# Altium PCB PCB1.PcbDoc (part 1 of 3) (continued)
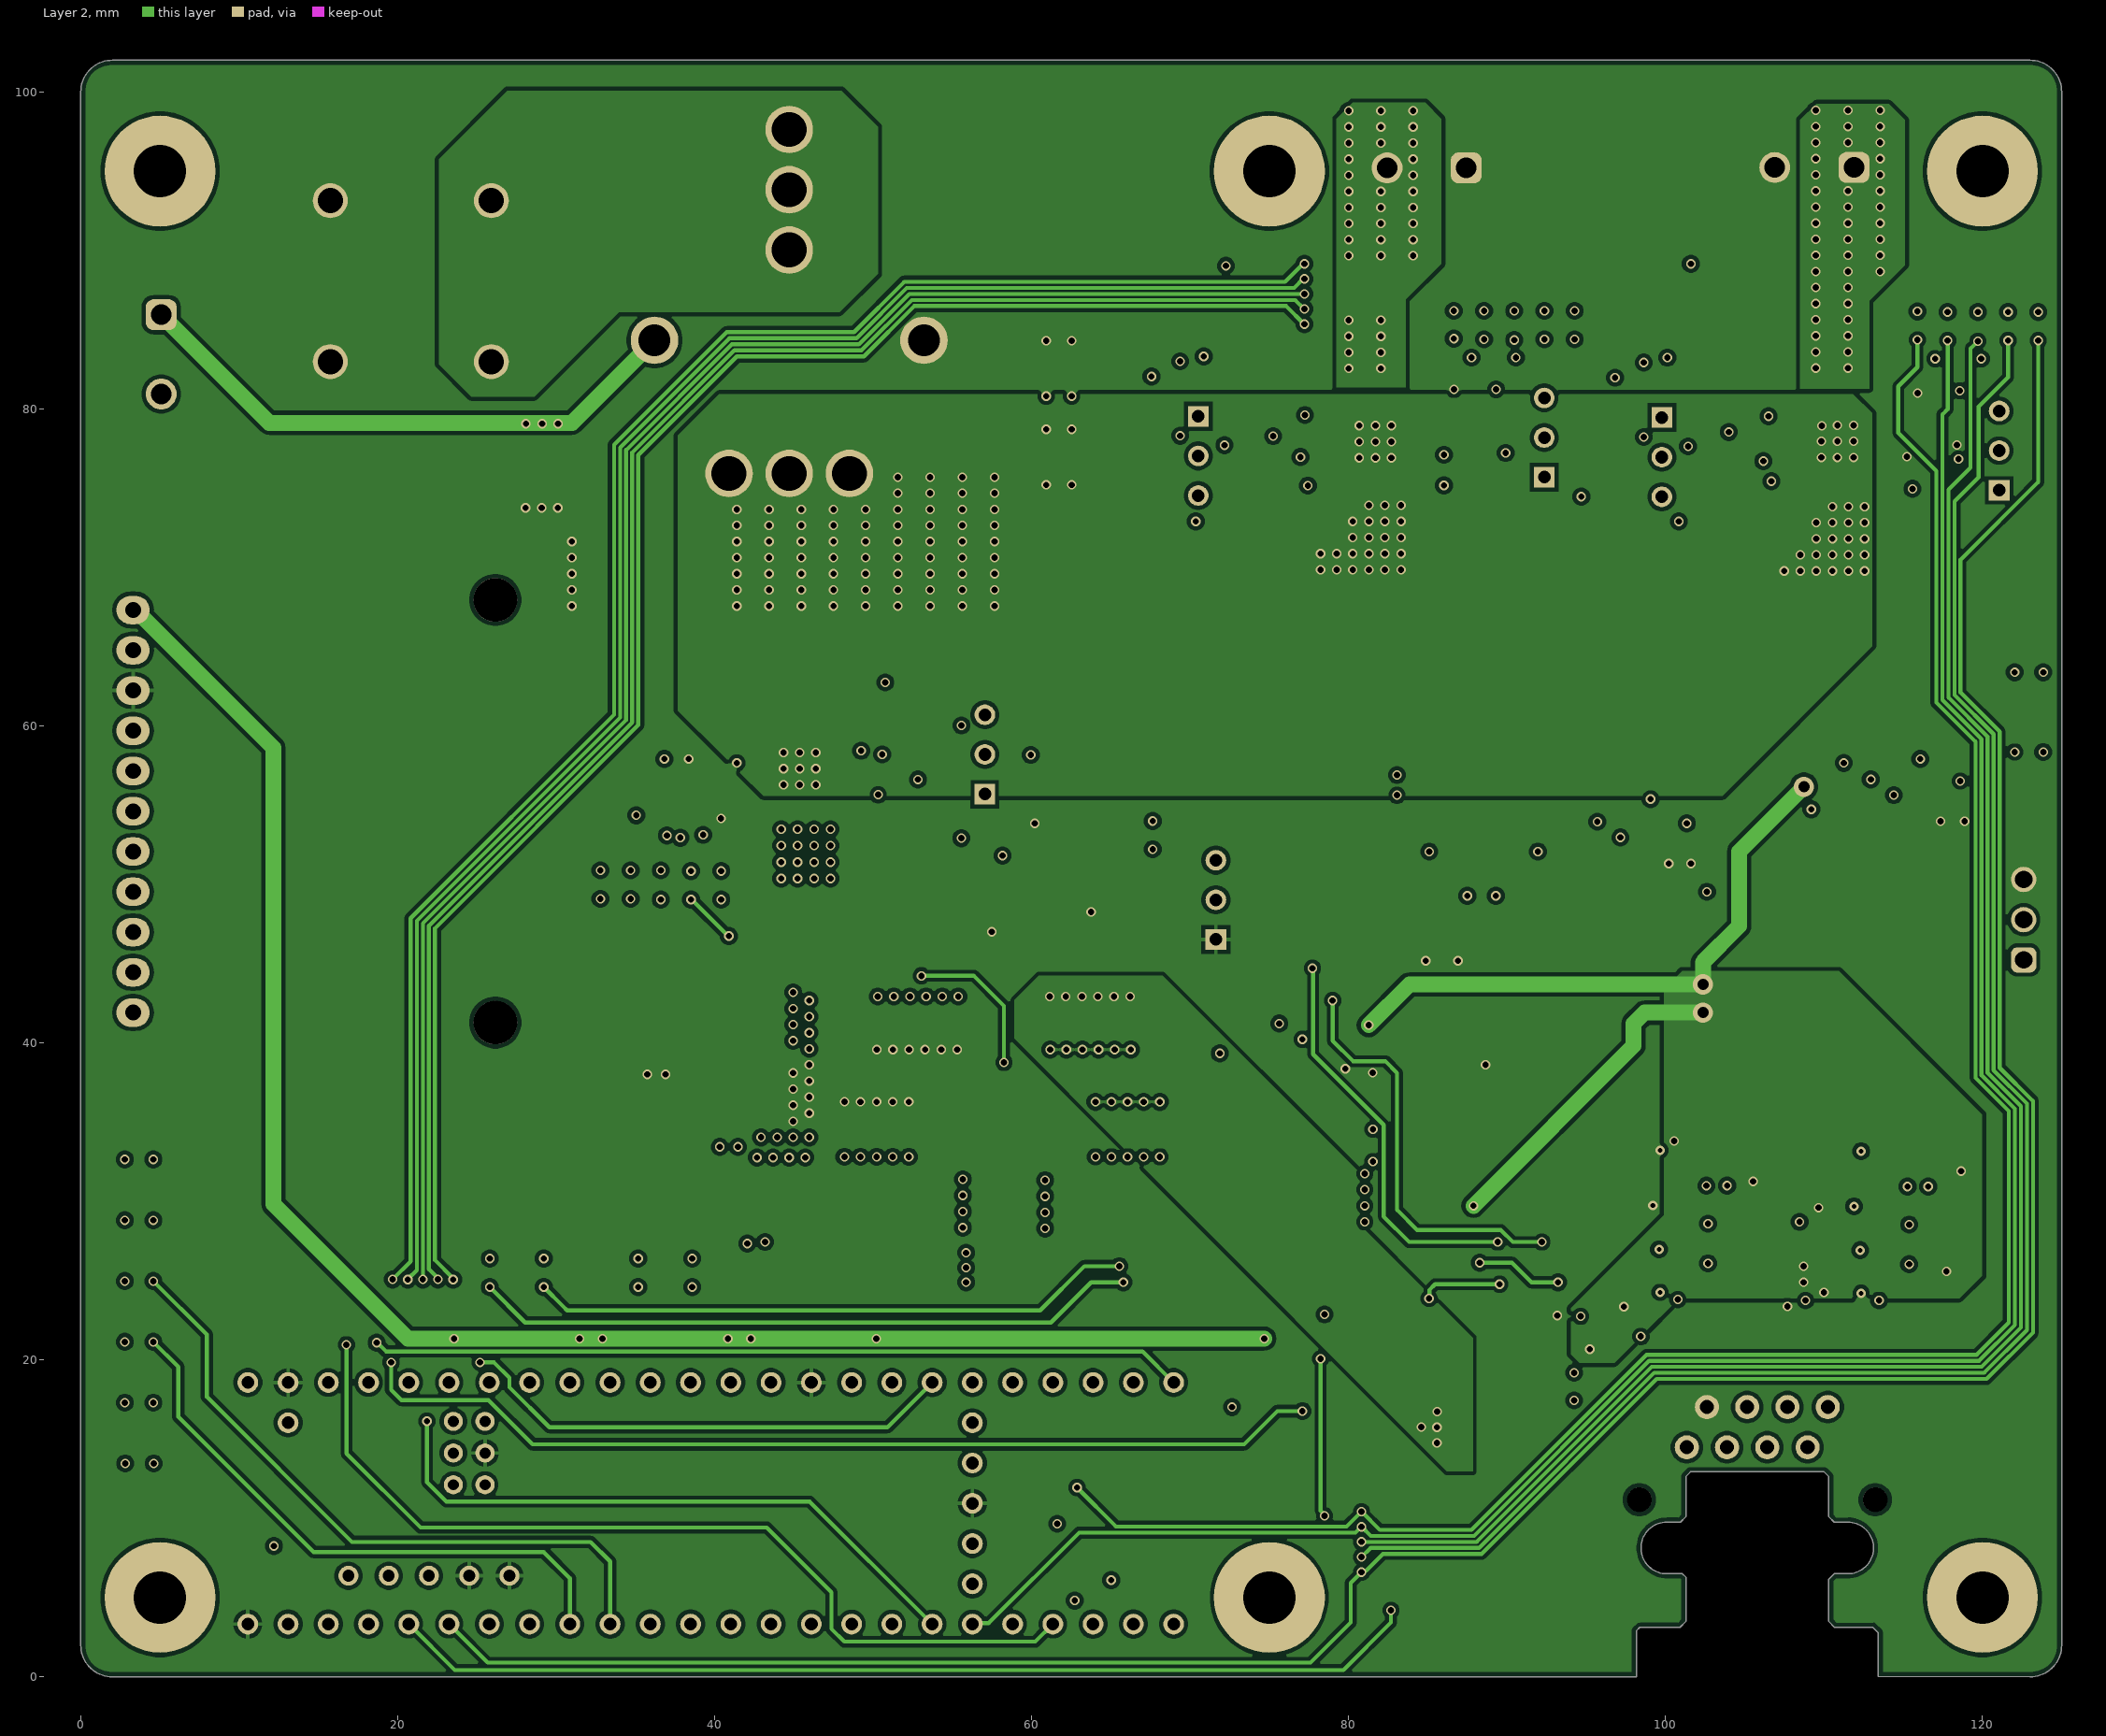
[diagram p3: Layer 2]
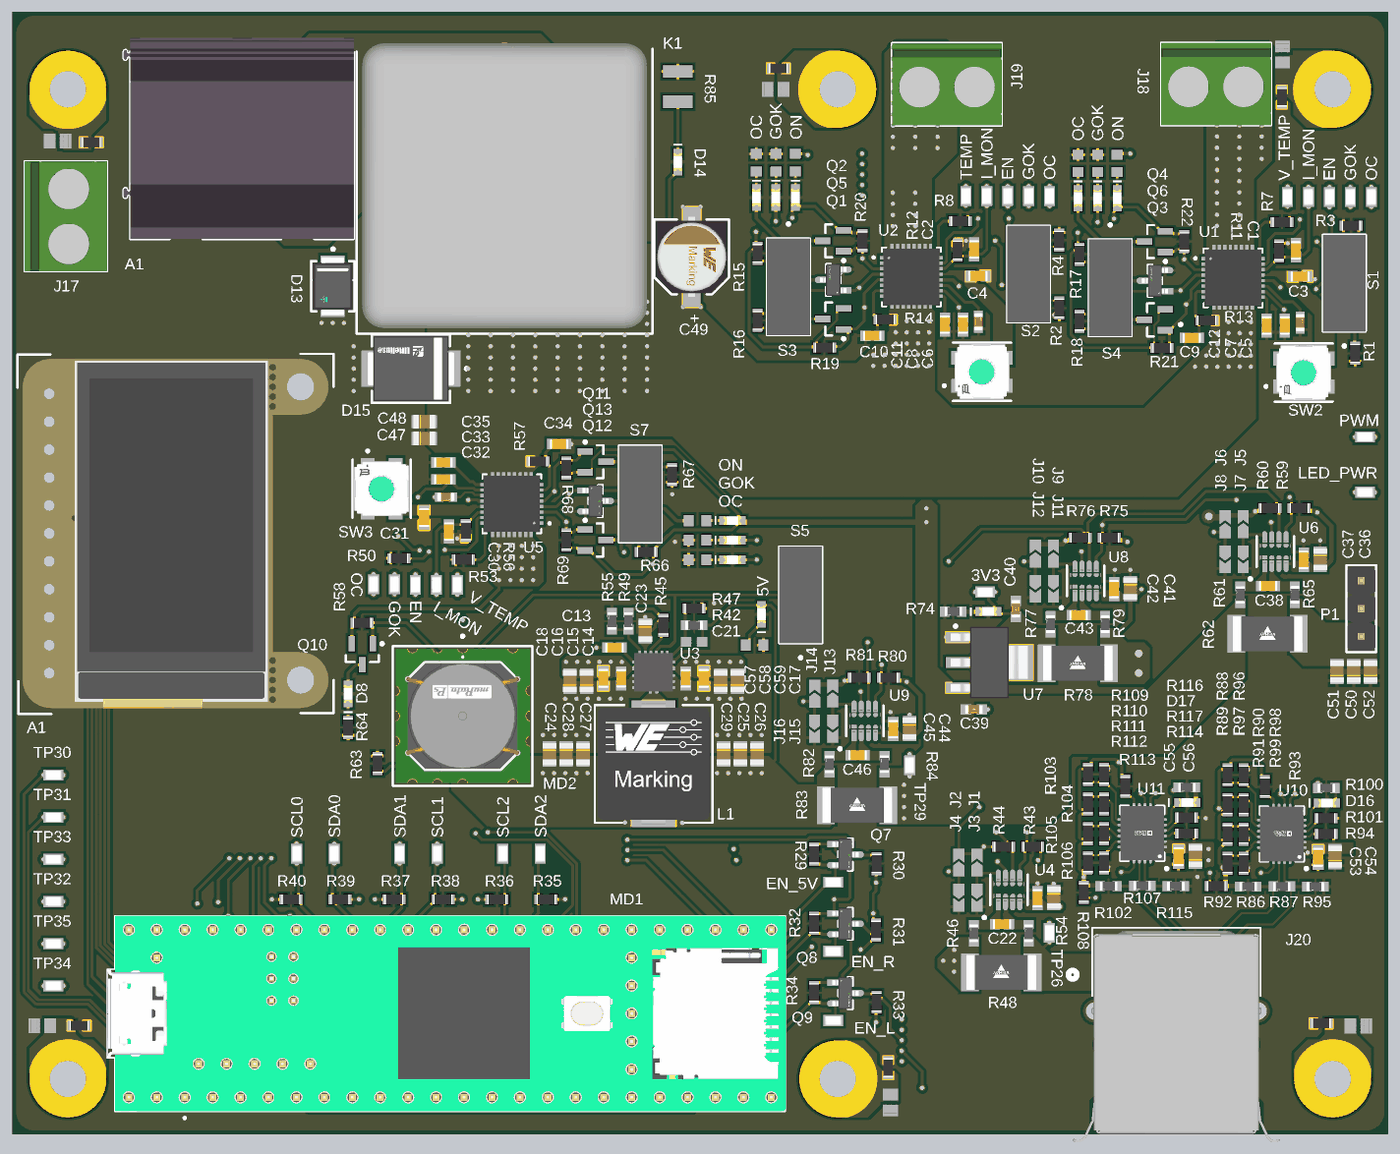
[diagram p6: 3D render of the assembled board from above, using the file's embedded part models]

## Layer stack, top to bottom
Top Solder: solder mask 0.0305, Solder Resist, Dk 3.8
Top Layer: signal copper 0.07
Dielectric 2: prepreg 0.203, PP-006, Dk 4.4
Layer 1: signal copper 0.03
Dielectric 1: dielectric 1.03, FR-4, Dk 4.6
Layer 2: signal copper 0.03
Dielectric 3: prepreg 0.203, PP-006, Dk 4.4
Bottom Layer: signal copper 0.07
Bottom Solder: solder mask 0.0305, Solder Resist, Dk 3.8

## Board outline
2,0 cw(c2,2) 0,2 0,100 cw(c2,100) 2,102 123,102 cw(c123,100) 125,100 125,2 cw(c123,2) 123,0 113.424,0.025 113.424,2.781 113.081,3.124 110.668,3.124 110.299,3.492 110.299,6.159 110.642,6.502 111.506,6.502 ccw(c111.506,8.128) 111.506,9.754 110.642,9.754 110.299,10.096 110.299,12.636 110.007,12.929 101.575,12.929 101.282,12.636 101.282,10.096 100.94,9.754 100.076,9.754 ccw(c100.076,8.128) 100.076,6.502 101.067,6.502 101.282,6.286 101.282,3.492 100.914,3.124 98.374,3.124 98.158,2.908 98.158,0.025 98.158,0

## Design rules (kind name [scope] priority, off if disabled: settings)
AcuteAngle [All] p1: minimum=6.00000000000000E+0001 checktracksonly=FALSE
AssemblyTestPointUsage [All] p1 off: valid=2
AssemblyTestpoint [All] p1 off: testpointundercomponent=TRUE minsize=1.016 maxsize=2.54 preferedsize=1.524 minholesize=0 maxholesize=1.016 preferedholesize=0.813 testpointgrid=0.025 usegrid=TRUE gridtolerance=0 allowsidetop=TRUE allowsidebottom=TRUE
BoardOutlineClearance [All] p1: gap=0.3 ignorepadtopadclearanceinfootprint=FALSE
Clearance [All] p1: gap=0.254 ignorepadtopadclearanceinfootprint=TRUE except(0: Arc-Hole Track-Hole SMDPad-Hole THPad-Hole Via-Hole Fill-Hole Poly-Hole Region-Hole Text-Hole; 0.127: Track-Track SMDPad-SMDPad; 0.15: Arc-Text Track-Text SMDPad-Text THPad-Text Via-Text Fill-Text Poly-Text Region-Text Text-Text; 0.2: Track-SMDPad; 0.33: Track-THPad)
FabricationTestPointUsage [All] p1: valid=2 allowmultiple=FALSE
Height [All] p1: minheight=0 maxheight=35 prefheight=12.7
HoleSize [All] p1: absolutevalues=TRUE maxlimit=6.3 minlimit=0.3 maxpercent=80.000 minpercent=20.000
MinimumSolderMaskSliver [All] p1: minsoldermaskwidth=0.1
NetAntennae [All] p1 off: netantennaetolerance=0
PolygonConnect Vias [IsVia] p1: connectstyle=Direct reliefconductorwidth=0.254 reliefentries=4 polygonreliefangle="90 Angle" airgapwidth=0.254
PolygonConnect Direct_PadClass [InPadClass('Direct')] p2: connectstyle=Direct reliefconductorwidth=0.254 reliefentries=4 polygonreliefangle="90 Angle" airgapwidth=0.254
PolygonConnect [All] p3: connectstyle=Relief reliefconductorwidth=0.254 reliefentries=4 polygonreliefangle="90 Angle" airgapwidth=0.254
RoutingVias [All] p1: holewidth=0.4 width=0.6 viastyle="Through Hole" minholewidth=0.3 minwidth=0.5 maxholewidth=6.3 maxwidth=10
SolderMaskExpansion [All] p1: expansion=0.102 istentingtop=FALSE
Width [All] p1: maxlimit=5 minlimit=0.127 preferedwidth=0.254
23 further rules are at their usual default settings.

## Classes and differential pairs
net class R120_Nets: CHASSIS GND
net class R119_Nets: CHASSIS GND
net class R118_Nets: CHASSIS GND
net class R73_Nets: CHASSIS GND
net class R52_Nets: CHASSIS GND
net class R51_Nets: CHASSIS GND
net class MH6_Nets: CHASSIS
net class MH5_Nets: CHASSIS
net class MH4_Nets: CHASSIS
net class MH3_Nets: CHASSIS
net class MH2_Nets: CHASSIS
net class MH1_Nets: CHASSIS
net class C69_Nets: CHASSIS GND
net class C68_Nets: CHASSIS GND
net class C67_Nets: CHASSIS GND
net class C66_Nets: CHASSIS GND
net class C65_Nets: CHASSIS GND
net class C64_Nets: CHASSIS GND
component class Main: C64 C65 C66 C67 C68 C69 MH1 MH2 MH3 MH4 MH5 MH6 R51 R52 R73 R118 R119 R120
net class TP35_Nets: NetMD1_22
net class TP34_Nets: NetMD1_21
net class TP33_Nets: NetMD1_8
net class TP32_Nets: NetMD1_7
net class TP31_Nets: NetMD1_1
net class TP30_Nets: NetMD1_0
net class C59_Nets: +12V0 GND
net class C58_Nets: +12V0 GND
net class C57_Nets: +12V0 GND
pad class Direct: C1-1 C1-2 C2-1 C2-2 C3-1 C3-2 C4-1 C4-2 C14-1 C14-2 C15-1 C15-2 C16-1 C16-2 C17-1 C17-2 C18-1 C18-2 C19-2 C20-2 C22-1 C22-2 C23-1 C23-2 C24-1 C24-2 C25-1 C25-2 C26-1 C26-2 C27-1 C27-2 C28-1 C28-2 C29-1 C29-2 C30-1 C30-2 C31-1 C31-2 C34-1 C34-2 C36-2 C37-2 C38-1 C38-2 C39-1 C39-2 C40-1 C40-2 C41-2 C42-2 C43-1 C43-2 C44-2 C45-2 C46-1 C46-2 C47-1 C47-2 C48-1 C48-2 C49-1 C49-2 C50-2 C51-2 C52-2 C53-2 C54-2 C55-2 C56-2 C57-1 C57-2 C58-1 C58-2 C59-1 C59-2 C64-1 C64-2 C65-1 C65-2 C66-1 C66-2 C67-1 C67-2 C68-1 C68-2 C69-1 C69-2 D13-1 D13-2 D15-1 D15-2 E1-A1 E1-A2 J18-1 J18-2 J19-1 J19-2 J20-1 J20-2 K1-30 K1-85 K1-86 K1-87 L1-1 L1-2 MD1-VBAT MD1-VIN MD1-VUSB MD2-1 MD2-2 MD2-3 MD2-4 MD2-5 MD2-6 MD2-7 MD2-8 MD2-9 MD2-10 MD2-11 MD2-12 MH1-1 MH2-1 MH3-1 MH4-1 MH5-1 MH6-1 P1-1 P1-2 P1-3 R12-1 R12-2 R13-2 R14-2 R46-1 R46-2 R48-1 R48-2 R51-1 R51-2 R52-1 R52-2 R54-1 R54-2 R56-1 R56-2 R57-2 R61-1 R61-2 R62-1 R62-2 R65-1 R65-2 R73-1 R73-2 R77-1 R77-2 R78-1 R78-2 R79-1 R79-2 R82-1 R82-2 R83-1 R83-2 R84-1 R84-2 R118-1 R118-2 R119-1 R119-2 R120-1 R120-2 SW1-1 SW1-2 SW1-3 SW1-4 SW2-1 SW2-2 SW2-3 SW2-4 SW3-1 SW3-2 SW3-3 SW3-4 TP29-1 U1-1 U1-2 U1-3 U1-4 U1-5 U1-6 U1-7 U1-8 U1-9 U1-10 U1-11 U1-12 U1-13 U1-14 U1-15 U1-16 U1-17 U1-18 U1-19 U1-20 U1-21 U1-22 U1-23 U1-24 U1-25 U1-26 U1-27 U1-28 U1-29 U1-30 U1-31 U1-32 U1-33 U2-1 U2-2 U2-3 U2-4 U2-5 U2-6 U2-7 U2-8 U2-9 U2-10 U2-11 U2-12 U2-13 U2-14 U2-15 U2-16 U2-17 U2-18 U2-19 U2-20 U2-21 U2-22 U2-23 U2-24 U2-25 U2-26 U2-27 U2-28 U2-29 U2-30 U2-31 U2-32 U2-33 U3-1 U3-2 U3-3 U3-4 U3-5 U3-6 U3-7 U3-8 U3-9 U3-10 U3-11 U3-12 U3-13 U3-14 U3-15 U3-16 U3-17 U3-18 U4-1 U4-2 U5-1 U5-2 U5-3 U5-4 U5-5 U5-6 U5-7 U5-8 U5-9 U5-10 U5-11 U5-12 U5-13 U5-14 U5-15 U5-16 U5-17 U5-18 U5-19 U5-20 U5-21 U5-22 U5-23 U5-24 U5-25 U5-26 U5-27 U5-28 U5-29 U5-30 U5-31 U5-32 U5-33 U6-1 U6-2 U7-1 U7-2 U7-3 U7-4 U8-1 U8-2 U9-1 U9-2 U10-1 U10-2 U11-1 U11-2
net class U11_Nets: +3v3 A1_1 A2_1 GND NetD17_1 NetJ20_5 NetJ20_6 NetR108_2 NetR113_2 NetR114_2 NetR117_2 NetU11_6 NetU11_9 NetU11_13 NetU11_20 SCL2 SDA2 SPD1_1 SPD2_1
net class U10_Nets: +3v3 A1_0 A2_0 GND NetD16_1 NetJ20_7 NetJ20_8 NetR92_2 NetR93_2 NetR94_2 NetR101_2 NetU10_6 NetU10_9 NetU10_13 NetU10_20 SCL1 SDA1 SPD1_0 SPD2_0
net class U9_Nets: +3v3 GND NetC46_1 NetC46_2 NetJ13_1 NetJ14_1 SCL0 SDA0
net class U8_Nets: +3v3 GND NetC43_1 NetC43_2 NetJ9_1 NetJ10_1 SCL0 SDA0
net class U7_Nets: +3v3_R +5V GND
net class U6_Nets: +3v3 GND NetC38_1 NetC38_2 NetJ5_1 NetJ6_1 SCL0 SDA0
net class U5_Nets: +12V0 ARM_L_int EN_5V GND GOK_5V Imon_5V NetC32_2 NetC34_2 NetC35_2 NetR50_2 NetR53_2 NetU5_1 NetU5_2 NetU5_6 NetU5_8 OC_5V VDD_5V Vtemp_5V
net class U4_Nets: +3v3 GND NetC22_1 NetC22_2 NetJ1_1 NetJ2_1 SCL0 SDA0
net class U3_Nets: 5VREGEN +12V0 GND NetC13_1 NetC13_2 NetC21_1 NetC23_2 NetR45_1 NetR49_2 NetU3_14
net class U2_Nets: ARM_L_int ARM_R EN_ARM_R GND GOK_ARM_R Imon_R NetC6_2 NetC10_2 NetC11_2 NetR8_2 NetS2_2 NetU2_1 NetU2_2 NetU2_6 NetU2_8 OC_ARM_R VDD_R Vtemp_R
net class U1_Nets: ARM_L ARM_L_int EN_ARM_L GND GOK_ARM_L Imon_L NetC5_2 NetC9_2 NetC12_2 NetR7_2 NetS1_2 NetU1_1 NetU1_2 NetU1_6 NetU1_8 OC_ARM_L VDD_L Vtemp_L
net class TP29_Nets: +5V
net class TP28_Nets: +3v3_R
net class TP27_Nets: NetC50_2
net class TP26_Nets: NetJ20_1
net class TP25_Nets: GOK_5V
net class TP24_Nets: OC_5V
net class TP23_Nets: EN_5V
net class TP22_Nets: Vtemp_5V
net class TP21_Nets: Imon_5V
net class TP20_Nets: SCL0
net class TP19_Nets: SDA0
net class TP18_Nets: SCL1
net class TP17_Nets: SDA1
net class TP16_Nets: SCL2
net class TP15_Nets: SDA2
net class TP14_Nets: NetMD1_31
net class TP13_Nets: NetMD1_30
net class TP12_Nets: NetMD1_9
net class TP11_Nets: NetMD1_5
net class TP10_Nets: GOK_ARM_L
net class TP9_Nets: GOK_ARM_R
net class TP8_Nets: OC_ARM_L
net class TP7_Nets: OC_ARM_R
net class TP6_Nets: EN_ARM_L
net class TP5_Nets: EN_ARM_R
net class TP4_Nets: Vtemp_L
net class TP3_Nets: Vtemp_R
net class TP2_Nets: Imon_L
net class TP1_Nets: Imon_R
net class SW3_Nets: GND VDD_5V
net class SW2_Nets: GND VDD_L
net class SW1_Nets: GND VDD_R
net class S7_Nets: EN_5V NetR66_1 NetR67_2
net class S5_Nets: 5VREGEN GND NetS5_3
net class S4_Nets: EN_ARM_L NetR17_1 NetR18_1
net class S3_Nets: EN_ARM_R NetR15_1 NetR16_1
net class S2_Nets: NetR2_1 NetR4_1 NetS2_2
net class S1_Nets: NetR1_1 NetR3_1 NetS1_2
net class R117_Nets: GND NetR117_2
net class R116_Nets: +3v3 NetD17_2
net class R115_Nets: GND NetJ20_6
net class R114_Nets: +3v3 NetR114_2
net class R113_Nets: +3v3 NetR113_2
net class R112_Nets: GND SPD2_1
net class R111_Nets: GND SPD1_1
net class R110_Nets: A2_1 GND
net class R109_Nets: A1_1 GND
net class R108_Nets: +3v3 NetR108_2
net class R107_Nets: NetJ20_5 NetJ20_6
net class R106_Nets: +3v3 SPD2_1
net class R105_Nets: +3v3 SPD1_1
net class R104_Nets: +3v3 A2_1
net class R103_Nets: +3v3 A1_1
net class R102_Nets: +3v3 NetJ20_5
net class R101_Nets: GND NetR101_2
net class R100_Nets: +3v3 NetD16_2
net class R99_Nets: GND SPD2_0
net class R98_Nets: GND SPD1_0
net class R97_Nets: A2_0 GND
net class R96_Nets: A1_0 GND
net class R95_Nets: GND NetJ20_8
net class R94_Nets: +3v3 NetR94_2
net class R93_Nets: +3v3 NetR93_2
net class R92_Nets: +3v3 NetR92_2
net class R91_Nets: +3v3 SPD2_0
net class R90_Nets: +3v3 SPD1_0
net class R89_Nets: +3v3 A2_0
net class R88_Nets: +3v3 A1_0
net class R87_Nets: NetJ20_7 NetJ20_8
net class R86_Nets: +3v3 NetJ20_7
net class R85_Nets: GND NetD14_1
net class R84_Nets: +5V NetC46_1
net class R83_Nets: +5V +5V_R
net class R82_Nets: +5V_R NetC46_2
net class R81_Nets: +3v3 SDA0
net class R80_Nets: +3v3 SCL0
net class R79_Nets: +3v3 NetC43_1
net class R78_Nets: +3v3 +3v3_R
net class R77_Nets: +3v3_R NetC43_2
net class R76_Nets: +3v3 SDA0
net class R75_Nets: +3v3 SCL0
net class R74_Nets: GND NetD12_1
net class R72_Nets: GND NetD11_1
net class R71_Nets: GND NetD10_1
net class R70_Nets: NetD9_1 NetQ13_3
net class R69_Nets: +5V OC_5V
net class R68_Nets: +5V GOK_5V
net class R67_Nets: GND NetR67_2
net class R66_Nets: +5V NetR66_1
net class R65_Nets: NetC38_1 NetC50_2
net class R64_Nets: GND NetD8_1
net class R63_Nets: GND NetMD2_6
net class R62_Nets: +5V NetC50_2
net class R61_Nets: +5V NetC38_2
net class R60_Nets: +3v3 SDA0
net class R59_Nets: +3v3 SCL0
net class R58_Nets: +12V0 PGOOD_5V
net class R57_Nets: ARM_L_int NetC34_2
net class R56_Nets: GND Imon_5V
net class R55_Nets: GND NetR49_2
net class R54_Nets: NetC22_1 NetJ20_1
net class R53_Nets: GND NetR53_2
net class R50_Nets: GND NetR50_2
net class R49_Nets: NetC23_2 NetR49_2
net class R48_Nets: +12V0 NetJ20_1
net class R47_Nets: GND NetC21_1
net class R46_Nets: +12V0 NetC22_2
net class R45_Nets: NetC23_2 NetR45_1
net class R44_Nets: +3v3 SDA0
net class R43_Nets: +3v3 SCL0
net class R42_Nets: +5V_R NetC21_1
net class R41_Nets: GND NetD7_1
net class R40_Nets: +3v3 SCL0
net class R39_Nets: +3v3 SDA0
net class R38_Nets: +3v3 SCL1
net class R37_Nets: +3v3 SDA1
net class R36_Nets: +3v3 SCL2
net class R35_Nets: +3v3 SDA2
net class R34_Nets: +3v3 NetMD1_31
net class R33_Nets: +5V EN_ARM_L
net class R32_Nets: +3v3 NetMD1_30
net class R31_Nets: +5V EN_ARM_R
net class R30_Nets: +5V EN_5V
net class R29_Nets: +3v3 NetMD1_9
net class R28_Nets: GND NetD6_1
net class R27_Nets: GND NetD5_1
net class R26_Nets: GND NetD4_1
net class R25_Nets: GND NetD3_1
net class R24_Nets: NetD2_1 NetQ6_3
net class R23_Nets: NetD1_1 NetQ5_3
net class R22_Nets: +5V OC_ARM_L
net class R21_Nets: +5V GOK_ARM_L
net class R20_Nets: +5V OC_ARM_R
net class R19_Nets: +5V GOK_ARM_R
net class R18_Nets: GND NetR18_1
net class R17_Nets: +5V NetR17_1
net class R16_Nets: GND NetR16_1
net class R15_Nets: +5V NetR15_1
net class R14_Nets: ARM_L_int NetC10_2
net class R13_Nets: ARM_L_int NetC9_2
net class R12_Nets: GND Imon_R
net class R11_Nets: GND Imon_L
net class R8_Nets: GND NetR8_2
net class R7_Nets: GND NetR7_2
net class R4_Nets: GND NetR4_1
net class R3_Nets: GND NetR3_1
net class R2_Nets: GND NetR2_1
net class R1_Nets: GND NetR1_1
net class Q13_Nets: EN_5V GND NetQ13_3
net class Q12_Nets: +5V NetD11_2 OC_5V
net class Q11_Nets: +5V GOK_5V NetD10_2
net class Q10_Nets: +12V0 NetD8_2 PGOOD_5V
net class Q9_Nets: +3v3 EN_ARM_L NetMD1_31
net class Q8_Nets: +3v3 EN_ARM_R NetMD1_30
net class Q7_Nets: +3v3 EN_5V NetMD1_9
net class Q6_Nets: EN_ARM_L GND NetQ6_3
net class Q5_Nets: EN_ARM_R GND NetQ5_3
net class Q4_Nets: +5V NetD6_2 OC_ARM_L
net class Q3_Nets: +5V GOK_ARM_L NetD5_2
net class Q2_Nets: +5V NetD4_2 OC_ARM_R
net class Q1_Nets: +5V GOK_ARM_R NetD3_2
net class P1_Nets: GND NetC50_2 NetMD1_5
net class MD2_Nets: 5VREGEN +5V_R +12V0 GND NetMD2_6 NetMD2_8 NetMD2_9 NetMD2_11 NetMD2_12 PGOOD_5V
net class MD1_Nets: +5V CS DC GND GOK_5V GOK_ARM_L GOK_ARM_R Imon_5V Imon_L Imon_R MISO MOSI NetMD1_0 NetMD1_1 NetMD1_3.3V_1 NetMD1_3.3V_2 NetMD1_3.3V_3 NetMD1_5 NetMD1_5V NetMD1_7 NetMD1_8 NetMD1_9 NetMD1_14 NetMD1_15 NetMD1_20 NetMD1_21 NetMD1_22 NetMD1_23 NetMD1_28 NetMD1_30 NetMD1_31 NetMD1_32 NetMD1_36 NetMD1_37 NetMD1_D+ NetMD1_D- NetMD1_LED NetMD1_ON/OFF NetMD1_PROGRAM NetMD1_R+ NetMD1_R- NetMD1_T+ NetMD1_T- NetMD1_VBAT NetMD1_VUSB OC_5V OC_ARM_L OC_ARM_R RST SCK SCL0 SCL1 SCL2 SDA0 SDA1 SDA2 Vtemp_5V Vtemp_L Vtemp_R
net class L1_Nets: +5V_R NetC13_1
net class K1_Nets: ARM_L_int GND NetD13_1 NetE1_A1
net class J20_Nets: CHASSIS GND NetJ20_1 NetJ20_3 NetJ20_4 NetJ20_5 NetJ20_6 NetJ20_7 NetJ20_8
net class J19_Nets: ARM_R GND NetJ19_2
net class J18_Nets: ARM_L GND NetJ18_2
net class J17_Nets: NetD13_1 NetE1_A1
net class J16_Nets: GND NetJ14_1
net class J15_Nets: GND NetJ13_1
net class J14_Nets: +3v3 NetJ14_1
net class J13_Nets: +3v3 NetJ13_1
net class J12_Nets: GND NetJ10_1
net class J11_Nets: GND NetJ9_1
net class J10_Nets: +3v3 NetJ10_1
net class J9_Nets: +3v3 NetJ9_1
net class J8_Nets: GND NetJ6_1
net class J7_Nets: GND NetJ5_1
net class J6_Nets: +3v3 NetJ6_1
net class J5_Nets: +3v3 NetJ5_1
net class J4_Nets: GND NetJ2_1
net class J3_Nets: GND NetJ1_1
net class J2_Nets: +3v3 NetJ2_1
net class J1_Nets: +3v3 NetJ1_1
net class E1_Nets: GND NetE1_A1
net class D17_Nets: NetD17_1 NetD17_2
net class D16_Nets: NetD16_1 NetD16_2
net class D15_Nets: ARM_L_int GND
net class D14_Nets: ARM_L_int NetD14_1
net class D13_Nets: GND NetD13_1
net class D12_Nets: +3v3_R NetD12_1
net class D11_Nets: NetD11_1 NetD11_2
net class D10_Nets: NetD10_1 NetD10_2
net class D9_Nets: +5V NetD9_1
net class D8_Nets: NetD8_1 NetD8_2
net class D7_Nets: +5V_R NetD7_1
net class D6_Nets: NetD6_1 NetD6_2
net class D5_Nets: NetD5_1 NetD5_2
net class D4_Nets: NetD4_1 NetD4_2
net class D3_Nets: NetD3_1 NetD3_2
net class D2_Nets: +5V NetD2_1
net class D1_Nets: +5V NetD1_1
net class C56_Nets: +3v3 GND
net class C55_Nets: +3v3 GND
net class C54_Nets: +3v3 GND
net class C53_Nets: +3v3 GND
net class C52_Nets: GND NetC50_2
net class C51_Nets: GND NetC50_2
net class C50_Nets: GND NetC50_2
net class C49_Nets: ARM_L_int GND
net class C48_Nets: ARM_L_int GND
net class C47_Nets: ARM_L_int GND
net class C46_Nets: NetC46_1 NetC46_2
net class C45_Nets: +3v3 GND
net class C44_Nets: +3v3 GND
net class C43_Nets: NetC43_1 NetC43_2
net class C42_Nets: +3v3 GND
net class C41_Nets: +3v3 GND
net class C40_Nets: +3v3_R GND
net class C39_Nets: +5V GND
net class C38_Nets: NetC38_1 NetC38_2
net class C37_Nets: +3v3 GND
net class C36_Nets: +3v3 GND
net class C35_Nets: GND NetC35_2
net class C34_Nets: GND NetC34_2
net class C33_Nets: GND Vtemp_5V
net class C32_Nets: GND NetC32_2
net class C31_Nets: GND VDD_5V
net class C30_Nets: GND Imon_5V
net class C29_Nets: +5V_R GND
net class C28_Nets: +5V_R GND
net class C27_Nets: +5V_R GND
net class C26_Nets: +5V_R GND
net class C25_Nets: +5V_R GND
net class C24_Nets: +5V_R GND
net class C23_Nets: GND NetC23_2
net class C22_Nets: NetC22_1 NetC22_2
net class C21_Nets: +5V_R NetC21_1
net class C20_Nets: +3v3 GND
net class C19_Nets: +3v3 GND
net class C18_Nets: +12V0 GND
net class C17_Nets: +12V0 GND
net class C16_Nets: +12V0 GND
net class C15_Nets: +12V0 GND
net class C14_Nets: +12V0 GND
net class C13_Nets: NetC13_1 NetC13_2
net class C12_Nets: GND NetC12_2
net class C11_Nets: GND NetC11_2
net class C10_Nets: GND NetC10_2
net class C9_Nets: GND NetC9_2
net class C8_Nets: GND Vtemp_R
net class C7_Nets: GND Vtemp_L
net class C6_Nets: GND NetC6_2
net class C5_Nets: GND NetC5_2
net class C4_Nets: GND VDD_R
net class C3_Nets: GND VDD_L
net class C2_Nets: GND Imon_R
net class C1_Nets: GND Imon_L
net class A1_Nets: +3v3 CS DC GND MISO MOSI NetA1_2 NetA1_10 NetA1_11 RST SCK
component class "I2C extender 1": C55 C56 D17 R102 R103 R104 R105 R106 R107 R108 R109 R110 R111 R112 R113 R114 R115 R116 R117 U11
component class "I2C extender 0": C53 C54 D16 R86 R87 R88 R89 R90 R91 R92 R93 R94 R95 R96 R97 R98 R99 R100 R101 U10
component class "Student Arm": C1 C2 C3 C4 C5 C6 C7 C8 C9 C10 C11 C12 D1 D2 D3 D4 D5 D6 Q1 Q2 Q3 Q4 Q5 Q6 R1 R2 R3 R4 R7 R8 R11 R12 R13 R14 R15 R16 R17 R18 R19 R20 R21 R22 R23 R24 R25 R26 R27 R28 S1 S2 S3 S4 SW1 SW2 TP1 TP2 TP3 TP4 TP5 TP6 TP7 TP8 TP9 TP10 U1 U2
component class Power: C13 C14 C15 C16 C17 C18 C19 C20 C21 C22 C23 C24 C25 C26 C27 C28 C29 C30 C31 C32 C33 C34 C35 C36 C37 C38 C39 C40 C41 C42 C43 C44 C45 C46 C57 C58 C59 D7 D8 D9 D10 D11 D12 J1 J2 J3 J4 J5 J6 J7 J8 J9 J10 J11 J12 J13 J14 J15 J16 L1 MD2 Q10 Q11 Q12 Q13 R41 R42 R43 R44 R45 R46 R47 R48 R49 R50 R53 R54 R55 R56 R57 R58 R59 R60 R61 R62 R63 R64 R65 R66 R67 R68 R69 R70 R71 R72 R74 R75 R76 R77 R78 R79 R80 R81 R82 R83 R84 S5 S7 SW3 TP21 TP22 TP23 TP24 TP25 TP26 TP27 TP28 TP29 U3 U4 U5 U6 U7 U8 U9
component class MCU: MD1 Q7 Q8 Q9 R29 R30 R31 R32 R33 R34 R35 R36 R37 R38 R39 R40 TP11 TP12 TP13 TP14 TP15 TP16 TP17 TP18 TP19 TP20 TP30 TP31 TP32 TP33 TP34 TP35
component class Connectors: A1 C47 C48 C49 C50 C51 C52 D13 D14 D15 E1 J18 J19 J20 K1 P1 R85
